# Altium PCB Benchtest_PCB.PcbDoc (part 1 of 3) (continued)
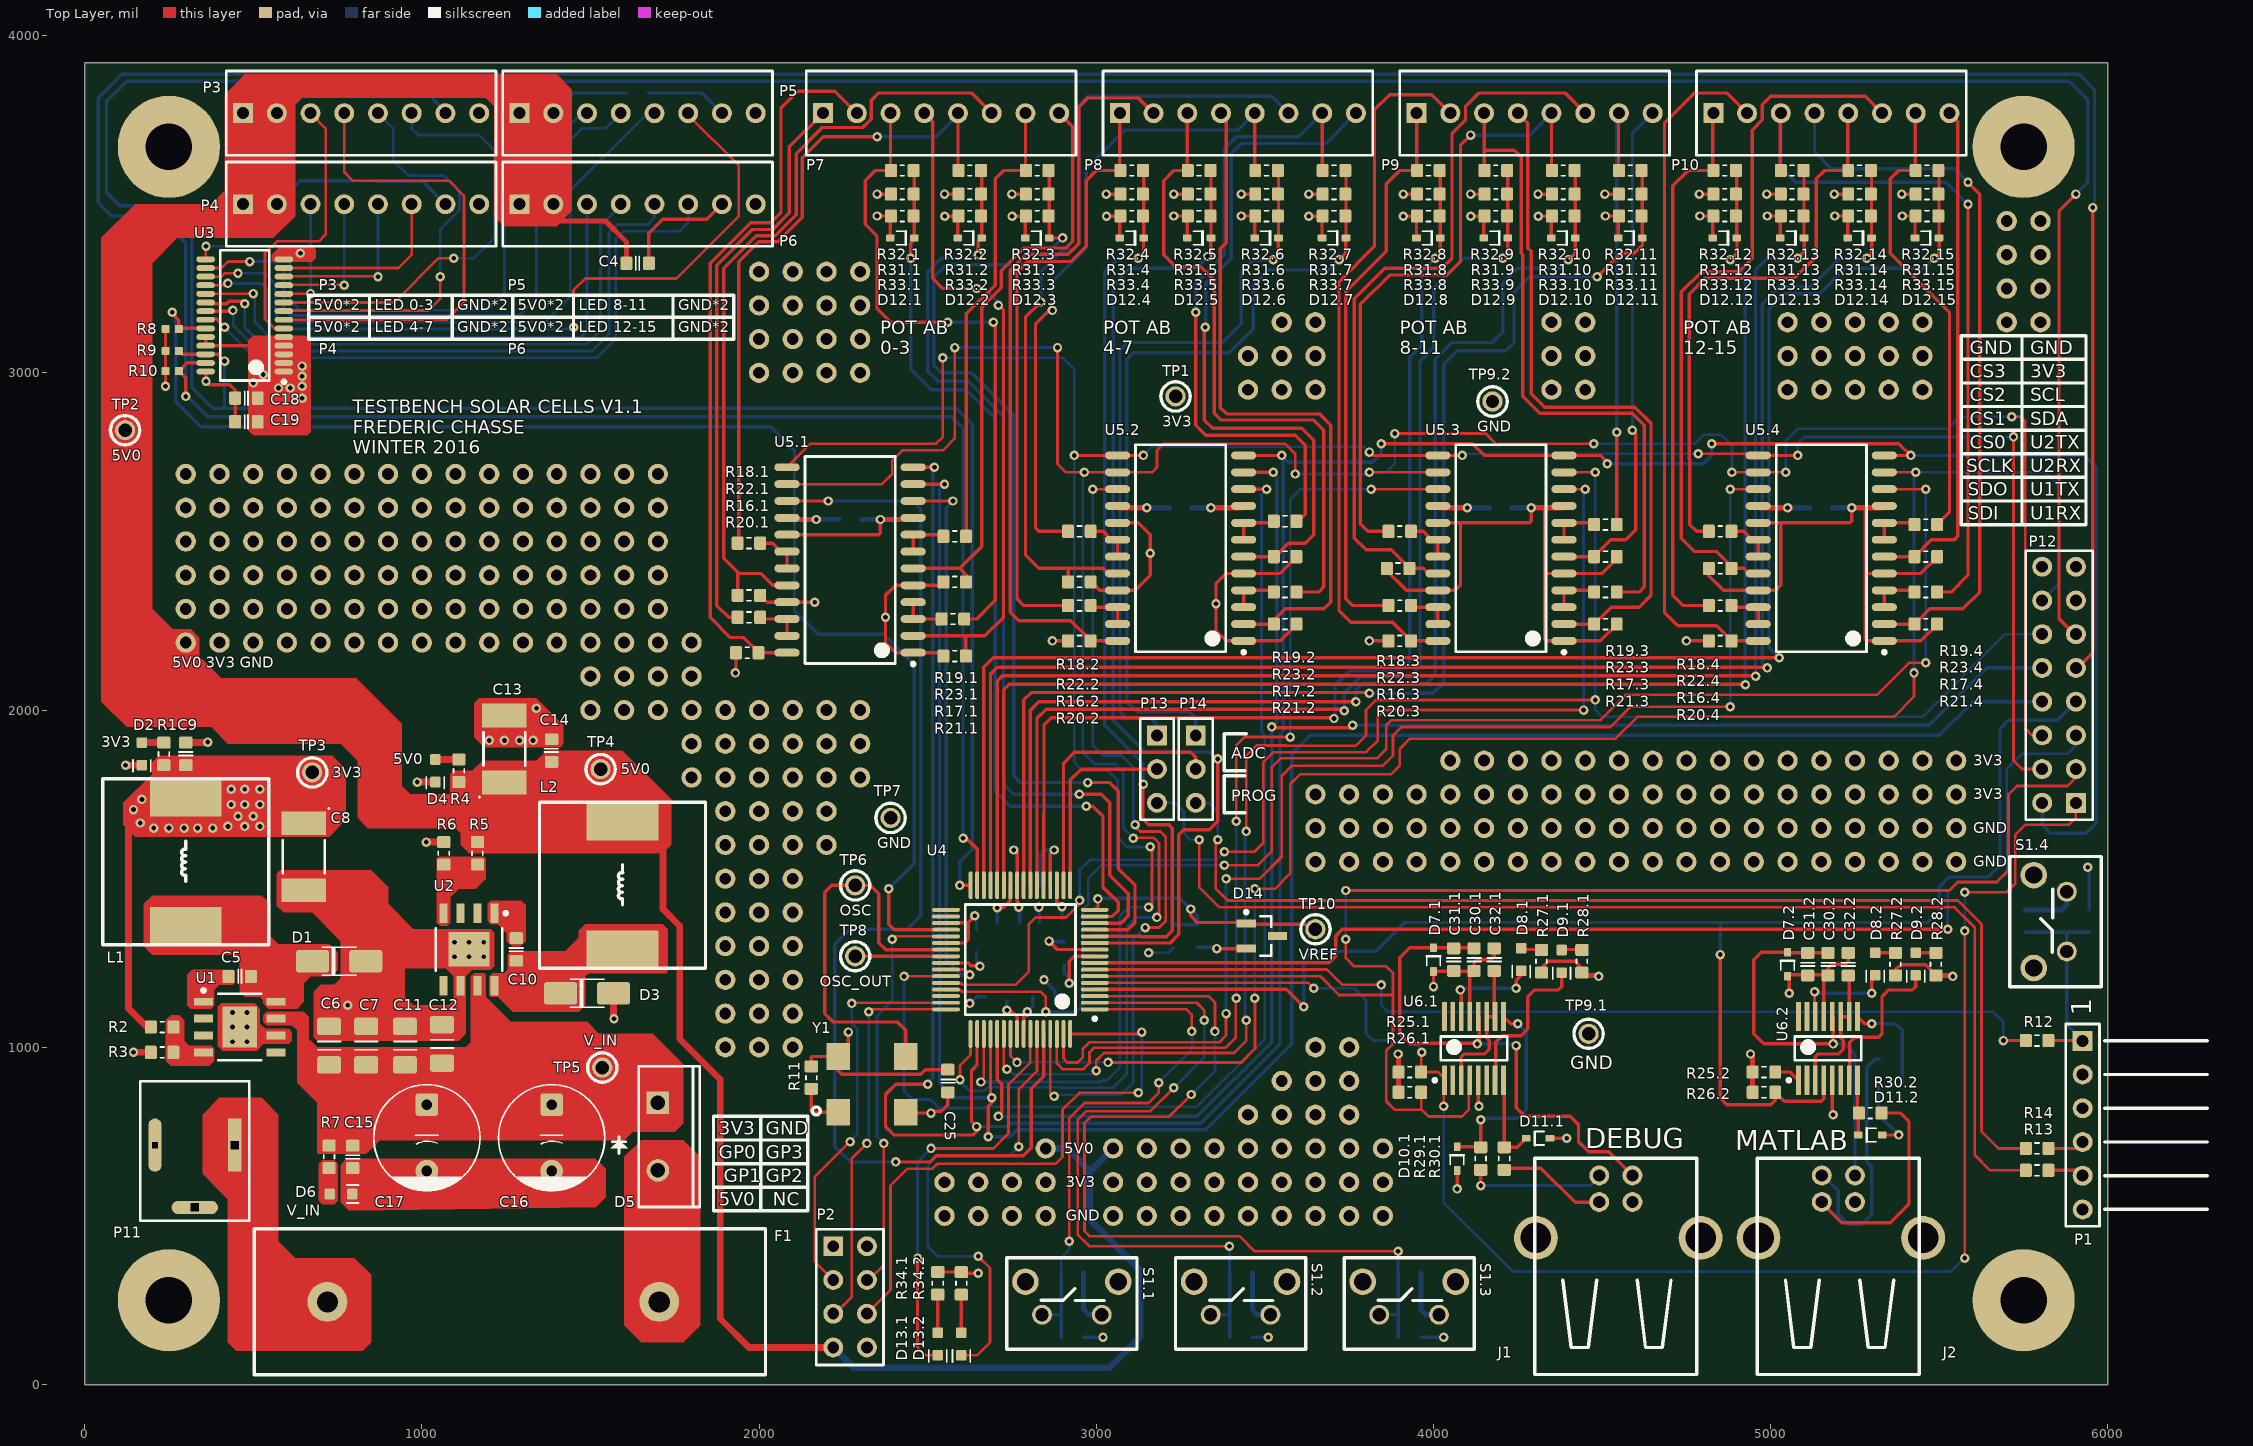
[diagram p0: Top Layer view]
## Design rules (kind name [scope] priority, off if disabled: settings)
Clearance "Clearance IC pads" [(HasFootprint('IC-HTSSOP-14') OR HasFootprint('IC-TQFP-64') OR HasFootprint('IC-TSSOP-28')) vs (HasFootprint('IC-HTSSOP-14') OR HasFootprint('IC-TQFP-64') OR HasFootprint('IC-TSSOP-28'))] p1: gap=0
Clearance [All] p2: gap=8
HoleSize [All] p1: absolutevalues=TRUE maxlimit=200 minlimit=5 maxpercent=80.000 minpercent=20.000
MinimumSolderMaskSliver [All] p1: minsoldermaskwidth=0
PlaneClearance [All] p1: clearance=20
PlaneConnect PlaneConnect_Vias [IsVia] p1: planeconnectstyle=Direct reliefexpansion=20 reliefentries=4 reliefconductorwidth=10 reliefairgap=10
PlaneConnect [All] p2: planeconnectstyle=Relief reliefexpansion=20 reliefentries=4 reliefconductorwidth=40 reliefairgap=10
PolygonConnect PolygonConnect_Vias [IsVia] p1: connectstyle=Direct reliefconductorwidth=10 reliefentries=4 polygonreliefangle="90 Angle" airgapwidth=10
PolygonConnect [All] p2: connectstyle=Relief reliefconductorwidth=40 reliefentries=4 polygonreliefangle="90 Angle" airgapwidth=10
RoutingVias [All] p1: holewidth=14 width=28 viastyle="Through Hole" minholewidth=14 minwidth=28 maxholewidth=28 maxwidth=50
SilkToSilkClearance [All] p1: silktosilkclearance=5
SilkToSolderMaskClearance [IsPad vs IsDesignator OR IsText] p1: minsilkscreentomaskgap=6 clearancetoexposedcopper=TRUE
SolderMaskExpansion [All] p1: expansion=4
Width [All] p1: maxlimit=40 minlimit=8 preferedwidth=10 minimp=50.000000 maximp=50.000000 favimp=50.000000
24 further rules are at their usual default settings.

## Classes and differential pairs
component class U_Vref: C33 D14 R35 TP10
channel class LED_debug: LED_DBG1 LED_DBG2
net class LED_DBG[2..1]: LED_DBG1 LED_DBG2
component class LED_DBG2: D13.2 R34.2
component class LED_DBG1: D13.1 R34.1
component class ControlBoard: C1 C2 C3 C4 J1 J2 P1 P2 P3 P4 P5 P6 P7 P8 P9 P10 P11 P12 TP1 TP2
component class U_DC-DC: C5 C6 C7 C8 C9 C10 C11 C12 C13 C14 C15 C16 C17 D1 D2 D3 D4 D5 D6 F1 L1 L2 R1 R2 R3 R4 R5 R6 R7 TP3 TP4 TP5 U1 U2
component class U_LED_Controller: C18 C19 R8 R9 R10 U3
component class U_PIC32MX_circuit: C20 C21 C22 C23 C24 C25 C26 C27 P13 P14 R11 R12 R13 R14 R15 TP6 TP7 TP8 U4 Y1
component class POT4: C28.4 R16.4 R17.4 R18.4 R19.4 R20.4 R21.4 R22.4 R23.4 U5.4
component class POT3: C28.3 R16.3 R17.3 R18.3 R19.3 R20.3 R21.3 R22.3 R23.3 U5.3
component class POT2: C28.2 R16.2 R17.2 R18.2 R19.2 R20.2 R21.2 R22.2 R23.2 U5.2
component class POT1: C28.1 R16.1 R17.1 R18.1 R19.1 R20.1 R21.1 R22.1 R23.1 U5.1
component class U_Push_Button: C29.4 R24.4 S1.4
component class DBG: C30.1 C31.1 C32.1 D7.1 D8.1 D9.1 D10.1 D11.1 R25.1 R26.1 R27.1 R28.1 R29.1 R30.1 TP9.1 U6.1
component class MAT: C30.2 C31.2 C32.2 D7.2 D8.2 D9.2 D10.2 D11.2 R25.2 R26.2 R27.2 R28.2 R29.2 R30.2 TP9.2 U6.2
net class ADC[16..2]: ADC2 ADC3 ADC4 ADC5 ADC6 ADC7 ADC8 ADC9 ADC10 ADC11 ADC12 ADC13 ADC14 ADC15 ADC16
net class CS[3..0]: CS0 CS1 CS2 CS3
net class GP_SW[3..1]: GP1 GP2 GP3 GP_SW1 GP_SW2 GP_SW3
net class GPIO[3..0]: GPIO0 GPIO1 GPIO2 GPIO3
net class LED[15..0]: LED0 LED1 LED2 LED3 LED4 LED5 LED6 LED7 LED8 LED9 LED10 LED11 LED12 LED13 LED14 LED15
net class P\O\T\_\R\S\T\[3..0]: P\O\T\_\R\S\T\0 P\O\T\_\R\S\T\1 P\O\T\_\R\S\T\2 P\O\T\_\R\S\T\3
net class P\O\T\_\S\H\D\N\[3..0]: P\O\T\_\S\H\D\N\0 P\O\T\_\S\H\D\N\1 P\O\T\_\S\H\D\N\2 P\O\T\_\S\H\D\N\3
net class POTA[16..1]: POTA1 POTA2 POTA3 POTA4 POTA5 POTA6 POTA7 POTA8 POTA9 POTA10 POTA11 POTA12 POTA13 POTA14 POTA15 POTA16
net class POTB[16..1]: POTB1 POTB2 POTB3 POTB4 POTB5 POTB6 POTB7 POTB8 POTB9 POTB10 POTB11 POTB12 POTB13 POTB14 POTB15 POTB16
channel class Potentiometer: POT1 POT2 POT3 POT4
channel class Push_Button: Repeat(GP_SW,0,2) RESET_PB
channel class USB-UART: DBG MAT
component class SP1: D12.1 R31.1 R32.1 R33.1
component class SP2: D12.2 R31.2 R32.2 R33.2
component class SP3: D12.3 R31.3 R32.3 R33.3
component class SP4: D12.4 R31.4 R32.4 R33.4
component class SP5: D12.5 R31.5 R32.5 R33.5
component class SP6: D12.6 R31.6 R32.6 R33.6
component class SP7: D12.7 R31.7 R32.7 R33.7
component class SP8: D12.8 R31.8 R32.8 R33.8
component class SP9: D12.9 R31.9 R32.9 R33.9
component class SP10: D12.10 R31.10 R32.10 R33.10
component class SP11: D12.11 R31.11 R32.11 R33.11
component class SP12: D12.12 R31.12 R32.12 R33.12
component class SP13: D12.13 R31.13 R32.13 R33.13
component class SP14: D12.14 R31.14 R32.14 R33.14
component class SP15: D12.15 R31.15 R32.15 R33.15
component class GP1: C29.1 R24.1 S1.1
component class GP2: C29.2 R24.2 S1.2
component class GP3: C29.3 R24.3 S1.3
channel class Signal_Protection: SP1 SP2 SP3 SP4 SP5 SP6 SP7 SP8 SP9 SP10 SP11 SP12 SP13 SP14 SP15

## Components (designator, comment, footprint, x,y, rotation, side; value= is the part's Value field where it differs from the comment)
C1 "CS - CAPACITOR" CS-0603 830,3830 r0 bottom
C2 "CS - CAPACITOR" CS-0603 830,3570 r0 bottom
C3 "CS - CAPACITOR" CS-0603 1640,3830 r0 bottom
C4 "CS - CAPACITOR" CS-0603 1640,3325 r0 top
C5 "CS - CAPACITOR" CS-0603 460,1210 r180 top
C6 "CS - CAPACITOR" CS-1206 725,1005 r270 top
C7 "CS - CAPACITOR" CS-1206 835,1005 r270 top
C8 "CS - CAPACITOR POL" CS-2312 650,1565 r270 top
C9 "CS - CAPACITOR" CS-0603 300,1870 r270 top
C10 "CS - CAPACITOR" CS-0603 1280,1290 r90 top
C11 "CS - CAPACITOR" CS-1206 950,1005 r270 top
C12 "CS - CAPACITOR" CS-1206 1060,1010 r270 top
C13 "CS - CAPACITOR POL" CS-2312 1245,1885 r90 top
C14 "CS - CAPACITOR" CS-0603 1385,1880 r270 top
C15 "CS - CAPACITOR" CS-0603 795,675 r90 top
C16 "CT - CAPACITOR ELECTROLYTIC" CT-CAP-ALUM-8X14 1385,830 r270 top
C17 "CT - CAPACITOR ELECTROLYTIC" CT-CAP-ALUM-8X14 1015,830 r270 top
C18 "CS - CAPACITOR" CS-0603 480,2925 r0 top
C19 "CS - CAPACITOR" CS-0603 480,2855 r0 top
C20 "CS - CAPACITOR" CS-0603 2865,1370 r0 bottom
C21 "CS - CAPACITOR" CS-0603 2645,1315 r90 bottom
C22 "CS - CAPACITOR" CS-0603 2740,1370 r180 bottom
C23 "CS - CAPACITOR" CS-0603 2845,1150 r180 bottom
C24 "CS - CAPACITOR" CS-0603 2905,1280 r90 bottom
C25 "CS - CAPACITOR" CS-0603 2560,900 r90 top
C26 "CS - CAPACITOR" CS-0603 2705,1150 r0 bottom
C27 "CS - CAPACITOR" CS-0603 2800,1480 r0 bottom
C28.1 "CS - CAPACITOR" CS-0603 2270,2565 r0 bottom (schematic designator C28)
C28.2 "CS - CAPACITOR" CS-0603 3250,2600 r0 bottom (schematic designator C28)
C28.3 "CS - CAPACITOR" CS-0603 4200,2600 r0 bottom (schematic designator C28)
C28.4 "CS - CAPACITOR" CS-0603 5150,2600 r0 bottom (schematic designator C28)
C29.1 "CS - CAPACITOR" CS-0603 2929.21,330 r180 bottom (schematic designator C29)
C29.2 "CS - CAPACITOR" CS-0603 3429.21,330 r180 bottom (schematic designator C29)
C29.3 "CS - CAPACITOR" CS-0603 3929.21,330 r180 bottom (schematic designator C29)
C29.4 "CS - CAPACITOR" CS-0603 5754.96,1374.21 r270 bottom (schematic designator C29)
C30.1 "CS - CAPACITOR" CS-0603 4120,1260 r90 top (schematic designator C30)
C30.2 "CS - CAPACITOR" CS-0603 5170,1246.54 r90 top (schematic designator C30)
C31.1 "CS - CAPACITOR" CS-0603 4060,1260 r90 top (schematic designator C31)
C31.2 "CS - CAPACITOR" CS-0603 5110,1246.54 r90 top (schematic designator C31)
C32.1 "CS - CAPACITOR" CS-0603 4180,1260 r90 top (schematic designator C32)
C32.2 "CS - CAPACITOR" CS-0603 5230,1246.54 r90 top (schematic designator C32)
C33 "CS - CAPACITOR" CS-0603 3300,1330 r90 bottom
D1 "B340A-13-F" DS-DO-214AC-SMA 755,1255 r0 top
D2 "LED - NORMAL LED" "LED-0603 YELLOW" 170,1870 r270 top
D3 "B340A-13-F" DS-DO-214AC-SMA 1490,1160 r0 top
D4 "LED - NORMAL LED" "LED-0603 YELLOW" 1040,1820 r270 top
D5 "DT - Diode" TO-220AC 1700,735 r270 top
D6 "LED - NORMAL LED" "LED-0603 YELLOW" 760,565 r0 top
D7.1 "DS - TVS ESD5Z5.0T1G" DS-SOD523 4000,1260 r270 top (schematic designator D7)
D7.2 "DS - TVS ESD5Z5.0T1G" DS-SOD523 5050,1246.54 r270 top (schematic designator D7)
D8.1 "LED - NORMAL LED" "LED-0603 GREEN" 4260,1260 r270 top (schematic designator D8)
D8.2 "LED - NORMAL LED" "LED-0603 GREEN" 5310,1246.54 r270 top (schematic designator D8)
D9.1 "LED - NORMAL LED" "LED-0603 GREEN" 4380,1255 r270 top (schematic designator D9)
D9.2 "LED - NORMAL LED" "LED-0603 GREEN" 5430,1246.54 r270 top (schematic designator D9)
D10.1 "DS - TVS ESD5Z5.0T1G" DS-SOD523 4070,670 r270 top (schematic designator D10)
D10.2 "DS - TVS ESD5Z5.0T1G" DS-SOD523 5355,895 r180 bottom (schematic designator D10)
D11.1 "DS - TVS ESD5Z5.0T1G" DS-SOD523 4310,730 r0 top (schematic designator D11)
D11.2 "DS - TVS ESD5Z5.0T1G" DS-SOD523 5295,740 r0 top (schematic designator D11)
D12.1 "DS - TVS ESD5Z3.3T1G" DS-SOD523 2425,3400 r180 top (schematic designator D12)
D12.2 "DS - TVS ESD5Z3.3T1G" DS-SOD523 2625,3400 r180 top (schematic designator D12)
D12.3 "DS - TVS ESD5Z3.3T1G" DS-SOD523 2825,3400 r180 top (schematic designator D12)
D12.4 "DS - TVS ESD5Z3.3T1G" DS-SOD523 3105,3400 r180 top (schematic designator D12)
D12.5 "DS - TVS ESD5Z3.3T1G" DS-SOD523 3305,3400 r180 top (schematic designator D12)
D12.6 "DS - TVS ESD5Z3.3T1G" DS-SOD523 3505,3400 r180 top (schematic designator D12)
D12.7 "DS - TVS ESD5Z3.3T1G" DS-SOD523 3705,3400 r180 top (schematic designator D12)
D12.8 "DS - TVS ESD5Z3.3T1G" DS-SOD523 3985,3400 r180 top (schematic designator D12)
D12.9 "DS - TVS ESD5Z3.3T1G" DS-SOD523 4185,3400 r180 top (schematic designator D12)
D12.10 "DS - TVS ESD5Z3.3T1G" DS-SOD523 4385,3400 r180 top (schematic designator D12)
D12.11 "DS - TVS ESD5Z3.3T1G" DS-SOD523 4583.46,3400 r180 top (schematic designator D12)
D12.12 "DS - TVS ESD5Z3.3T1G" DS-SOD523 4863.46,3400 r180 top (schematic designator D12)
D12.13 "DS - TVS ESD5Z3.3T1G" DS-SOD523 5063.46,3400 r180 top (schematic designator D12)
D12.14 "DS - TVS ESD5Z3.3T1G" DS-SOD523 5263.46,3400 r180 top (schematic designator D12)
D12.15 "DS - TVS ESD5Z3.3T1G" DS-SOD523 5463.46,3400 r180 top (schematic designator D12)
D13.1 "LED - NORMAL LED" "LED-0603 GREEN" 2530,120 r270 top (schematic designator D13)
D13.2 "LED - NORMAL LED" "LED-0603 GREEN" 2600,120 r270 top (schematic designator D13)
D14 "DS - LM4040" IC-SOT-23 3550,1380 r0 top
F1 "FT - Fuse" "FT - 5mm x 20mm" 720,245 r0 top
J1 "USB 4 pins" "CON-USB TYPE B" 4590,620 r0 top
J2 "USB 4 pins" "CON-USB TYPE B" 5250,620 r0 top
L1 "LS - INDUCTOR" "LS-Inductor SMD" 300,1550 r90 top
L2 "LS - INDUCTOR" "LS-Inductor SMD" 1595,1480 r90 top
P1 "CON - HEADER PROG" CON-HEADER-1X6-RA 5925,1019.21 r270 top
P2 "CON - HEADER 2X4" CON-HEADER-2X4 2220,410 r270 top
P3 "CON - HEADER 1X8" CON-HEADER-1X8 470,3770 r0 top
P4 "CON - HEADER 1X8" CON-HEADER-1X8 470,3500 r0 top
P5 "CON - HEADER 1X8" CON-HEADER-1X8 1290,3770 r0 top
P6 "CON - HEADER 1X8" CON-HEADER-1X8 1290,3500 r0 top
P7 "CON - HEADER 1X8" CON-HEADER-1X8 2190,3770 r0 top
P8 "CON - HEADER 1X8" CON-HEADER-1X8 3070,3770 r0 top
P9 "CON - HEADER 1X8" CON-HEADER-1X8 3950,3770 r0 top
P10 "CON - HEADER 1X8" CON-HEADER-1X8 4830,3770 r0 top
P11 "CON - POWER CONNECTOR" "CON-POWER CONNECTOR" 445,710 r180 top
P12 "CON - HEADER 2X8" CON-HEADER-2X8 5905,1725 r90 top
P13 "CON - HEADER 1X3" CON-HEADER-1X3 3180,1925 r270 top
P14 "CON - HEADER 1X3" CON-HEADER-1X3 3295,1925 r270 top
R1 "RS - RESISTOR" RS-0603 235,1870 r90 top
R2 "RS - RESISTOR" RS-0603 230,1060 r0 top
R3 "RS - RESISTOR" RS-0603 230,985 r180 top
R4 "RS - RESISTOR" RS-0603 1110,1820 r90 top
R5 "RS - RESISTOR" RS-0603 1165,1575 r270 top
R6 "RS - RESISTOR" RS-0603 1065,1575 r90 top
R7 "RS - RESISTOR" RS-0603 725,675 r90 top
R8 "RS - RESISTOR" RS-0402 260,3130 r180 top
R9 "RS - RESISTOR" RS-0402 260,3065 r180 top
R10 "RS - RESISTOR" RS-0402 260,3005 r180 top
R11 "RS - RESISTOR" RS-0603 2155,910 r270 top
R12 "RS - RESISTOR" RS-0603 5790,1020 r0 top
R13 "RS - RESISTOR" RS-0603 5790,635 r0 top
R14 "RS - RESISTOR" RS-0603 5790,700 r0 top
R15 "RS - RESISTOR" RS-0603 2800,1545 r180 bottom
R16.1 "RS - RESISTOR" RS-0603 1970,2275 r0 top (schematic designator R16)
R16.2 "RS - RESISTOR" RS-0603 2950,2310 r0 top (schematic designator R16)
R16.3 "RS - RESISTOR" RS-0603 3900,2310 r0 top (schematic designator R16)
R16.4 "RS - RESISTOR" RS-0603 4850,2310 r0 top (schematic designator R16)
R17.1 "RS - RESISTOR" RS-0603 2575,2270 r180 top (schematic designator R17)
R17.2 "RS - RESISTOR" RS-0603 3560,2350 r180 top (schematic designator R17)
R17.3 "RS - RESISTOR" RS-0603 4510,2350 r180 top (schematic designator R17)
R17.4 "RS - RESISTOR" RS-0603 5460,2350 r180 top (schematic designator R17)
R18.1 "RS - RESISTOR" RS-0603 1970,2495 r0 top (schematic designator R18)
R18.2 "RS - RESISTOR" RS-0603 2950,2530 r0 top (schematic designator R18)
R18.3 "RS - RESISTOR" RS-0603 3900,2530 r0 top (schematic designator R18)
R18.4 "RS - RESISTOR" RS-0603 4850,2530 r0 top (schematic designator R18)
R19.1 "RS - RESISTOR" RS-0603 2580,2515 r180 top (schematic designator R19)
R19.2 "RS - RESISTOR" RS-0603 3560,2560 r180 top (schematic designator R19)
R19.3 "RS - RESISTOR" RS-0603 4510,2550 r180 top (schematic designator R19)
R19.4 "RS - RESISTOR" RS-0603 5460,2550 r180 top (schematic designator R19)
R20.1 "RS - RESISTOR" RS-0603 1965,2170 r180 top (schematic designator R20)
R20.2 "RS - RESISTOR" RS-0603 2950,2205 r180 top (schematic designator R20)
R20.3 "RS - RESISTOR" RS-0603 3900,2205 r180 top (schematic designator R20)
R20.4 "RS - RESISTOR" RS-0603 4850,2205 r180 top (schematic designator R20)
R21.1 "RS - RESISTOR" RS-0603 2580,2160 r180 top (schematic designator R21)
R21.2 "RS - RESISTOR" RS-0603 3560,2255 r0 top (schematic designator R21)
R21.3 "RS - RESISTOR" RS-0603 4510,2255 r0 top (schematic designator R21)
R21.4 "RS - RESISTOR" RS-0603 5460,2255 r0 top (schematic designator R21)
R22.1 "RS - RESISTOR" RS-0603 1970,2340 r0 top (schematic designator R22)
R22.2 "RS - RESISTOR" RS-0603 2950,2380 r0 top (schematic designator R22)
R22.3 "RS - RESISTOR" RS-0603 3895,2420 r180 top (schematic designator R22)
R22.4 "RS - RESISTOR" RS-0603 4850,2420 r180 top (schematic designator R22)
R23.1 "RS - RESISTOR" RS-0603 2580,2380 r180 top (schematic designator R23)
R23.2 "RS - RESISTOR" RS-0603 3560,2455 r0 top (schematic designator R23)
R23.3 "RS - RESISTOR" RS-0603 4510,2455 r0 top (schematic designator R23)
R23.4 "RS - RESISTOR" RS-0603 5460,2455 r0 top (schematic designator R23)
R24.1 "RS - RESISTOR" RS-0603 2929.21,140 r0 bottom (schematic designator R24)
R24.2 "RS - RESISTOR" RS-0603 3429.21,140 r0 bottom (schematic designator R24)
R24.3 "RS - RESISTOR" RS-0603 3929.21,140 r0 bottom (schematic designator R24)
R24.4 "RS - RESISTOR" RS-0603 5944.96,1374.21 r90 bottom (schematic designator R24)
R25.1 "RS - RESISTOR" RS-0603 3930,926.54 r180 top (schematic designator R25)
R25.2 "RS - RESISTOR" RS-0603 4980,926.54 r180 top (schematic designator R25)
R26.1 "RS - RESISTOR" RS-0603 3930,866.54 r180 top (schematic designator R26)
R26.2 "RS - RESISTOR" RS-0603 4980,866.54 r180 top (schematic designator R26)
R27.1 "RS - RESISTOR" RS-0603 4320,1255 r270 top (schematic designator R27)
R27.2 "RS - RESISTOR" RS-0603 5370,1246.54 r270 top (schematic designator R27)
R28.1 "RS - RESISTOR" RS-0603 4440,1255 r270 top (schematic designator R28)
R28.2 "RS - RESISTOR" RS-0603 5490,1246.54 r270 top (schematic designator R28)
R29.1 "RS - RESISTOR" RS-0603 4140,670 r270 top (schematic designator R29)
R29.2 "RS - RESISTOR" RS-0603 5355,965 r180 bottom (schematic designator R29)
R30.1 "RS - RESISTOR" RS-0603 4210,670 r270 top (schematic designator R30)
R30.2 "RS - RESISTOR" RS-0603 5295,805 r0 top (schematic designator R30)
R31.1 "RS - RESISTOR" RS-0603 2425,3530 r0 top (schematic designator R31)
R31.2 "RS - RESISTOR" RS-0603 2625,3530 r0 top (schematic designator R31)
R31.3 "RS - RESISTOR" RS-0603 2825,3530 r0 top (schematic designator R31)
R31.4 "RS - RESISTOR" RS-0603 3105,3530 r0 top (schematic designator R31)
R31.5 "RS - RESISTOR" RS-0603 3305,3530 r0 top (schematic designator R31)
R31.6 "RS - RESISTOR" RS-0603 3505,3530 r0 top (schematic designator R31)
R31.7 "RS - RESISTOR" RS-0603 3705,3530 r0 top (schematic designator R31)
R31.8 "RS - RESISTOR" RS-0603 3985,3530 r0 top (schematic designator R31)
R31.9 "RS - RESISTOR" RS-0603 4185,3530 r0 top (schematic designator R31)
R31.10 "RS - RESISTOR" RS-0603 4385,3530 r0 top (schematic designator R31)
R31.11 "RS - RESISTOR" RS-0603 4583.46,3530 r0 top (schematic designator R31)
R31.12 "RS - RESISTOR" RS-0603 4863.46,3530 r0 top (schematic designator R31)
R31.13 "RS - RESISTOR" RS-0603 5063.46,3530 r0 top (schematic designator R31)
R31.14 "RS - RESISTOR" RS-0603 5263.46,3530 r0 top (schematic designator R31)
R31.15 "RS - RESISTOR" RS-0603 5463.46,3530 r0 top (schematic designator R31)
R32.1 "RS - RESISTOR" RS-0603 2425,3600 r180 top (schematic designator R32)
R32.2 "RS - RESISTOR" RS-0603 2625,3600 r180 top (schematic designator R32)
R32.3 "RS - RESISTOR" RS-0603 2825,3600 r180 top (schematic designator R32)
R32.4 "RS - RESISTOR" RS-0603 3105,3600 r180 top (schematic designator R32)
R32.5 "RS - RESISTOR" RS-0603 3305,3600 r180 top (schematic designator R32)
R32.6 "RS - RESISTOR" RS-0603 3505,3600 r180 top (schematic designator R32)
R32.7 "RS - RESISTOR" RS-0603 3705,3600 r180 top (schematic designator R32)
R32.8 "RS - RESISTOR" RS-0603 3985,3600 r180 top (schematic designator R32)
R32.9 "RS - RESISTOR" RS-0603 4185,3600 r180 top (schematic designator R32)
R32.10 "RS - RESISTOR" RS-0603 4385,3600 r180 top (schematic designator R32)
R32.11 "RS - RESISTOR" RS-0603 4583.46,3600 r180 top (schematic designator R32)
R32.12 "RS - RESISTOR" RS-0603 4863.46,3600 r180 top (schematic designator R32)
R32.13 "RS - RESISTOR" RS-0603 5063.46,3600 r180 top (schematic designator R32)
R32.14 "RS - RESISTOR" RS-0603 5263.46,3600 r180 top (schematic designator R32)
R32.15 "RS - RESISTOR" RS-0603 5463.46,3600 r180 top (schematic designator R32)
R33.1 "RS - RESISTOR" RS-0603 2425,3465 r0 top (schematic designator R33)
R33.2 "RS - RESISTOR" RS-0603 2625,3465 r0 top (schematic designator R33)
R33.3 "RS - RESISTOR" RS-0603 2825,3465 r0 top (schematic designator R33)
R33.4 "RS - RESISTOR" RS-0603 3105,3465 r0 top (schematic designator R33)
R33.5 "RS - RESISTOR" RS-0603 3305,3465 r0 top (schematic designator R33)
R33.6 "RS - RESISTOR" RS-0603 3505,3465 r0 top (schematic designator R33)
R33.7 "RS - RESISTOR" RS-0603 3705,3465 r0 top (schematic designator R33)
R33.8 "RS - RESISTOR" RS-0603 3985,3465 r0 top (schematic designator R33)
R33.9 "RS - RESISTOR" RS-0603 4185,3465 r0 top (schematic designator R33)
R33.10 "RS - RESISTOR" RS-0603 4385,3465 r0 top (schematic designator R33)
R33.11 "RS - RESISTOR" RS-0603 4583.46,3465 r0 top (schematic designator R33)
R33.12 "RS - RESISTOR" RS-0603 4863.46,3465 r0 top (schematic designator R33)
R33.13 "RS - RESISTOR" RS-0603 5063.46,3465 r0 top (schematic designator R33)
R33.14 "RS - RESISTOR" RS-0603 5263.46,3465 r0 top (schematic designator R33)
R33.15 "RS - RESISTOR" RS-0603 5463.46,3465 r0 top (schematic designator R33)
R34.1 "RS - RESISTOR" RS-0603 2530,300 r270 top (schematic designator R34)
R34.2 "RS - RESISTOR" RS-0603 2600,300 r270 top (schematic designator R34)
R35 "RS - RESISTOR" RS-0603 3230,1330 r270 bottom
S1.1 "SW - Tactile Switch" SW-FSMRA 2839.21,206.93 r0 top (schematic designator S1)
S1.2 "SW - Tactile Switch" SW-FSMRA 3339.21,206.93 r0 top (schematic designator S1)
S1.3 "SW - Tactile Switch" SW-FSMRA 3839.21,206.93 r0 top (schematic designator S1)
S1.4 "SW - Tactile Switch" SW-FSMRA 5878.03,1284.21 r90 top (schematic designator S1)
TP1 "5003K" "TP - VERTICAL" 3235,2930 r0 top
TP2 "5003K" "TP - VERTICAL" 120,2830 r0 top
TP3 "5003K" "TP - VERTICAL" 675,1815 r0 top
TP4 "5003K" "TP - VERTICAL" 1530,1825 r90 top
TP5 "5003K" "TP - VERTICAL" 1535,940 r0 top
TP6 "5003K" "TP - VERTICAL" 2285,1480 r0 top
TP7 "5003K" "TP - VERTICAL" 2390,1680 r0 top
TP8 "5003K" "TP - VERTICAL" 2285,1270 r0 top
TP9.1 "5003K" "TP - VERTICAL" 4460,1040 r0 top (schematic designator TP9)
TP9.2 "5003K" "TP - VERTICAL" 4175,2915 r0 top (schematic designator TP9)
TP10 "5003K" "TP - VERTICAL" 3650,1350 r90 top
U1 "IC - TPS5430" IC-SOIC8-POWERPAD 460,1060 r0 top
U2 "IC - TPS5430" IC-SOIC8-POWERPAD 1140,1290 r270 top
U3 "IC - PCA9685" IC-TSSOP-28 475,3170.2 r180 top
U4 "IC - PIC32MX795F512HT-80I/PT" IC-TQFP-64 2775,1260 r180 top
U5.1 "IC - AD8403" IC-SOIC-24 2270,2445 r180 top (schematic designator U5)
U5.2 "IC - AD8403" IC-SOIC-24 3250,2480 r180 top (schematic designator U5)
U5.3 "IC - AD8403" IC-SOIC-24 4200,2480 r180 top (schematic designator U5)
U5.4 "IC - AD8403" IC-SOIC-24 5150,2480 r180 top (schematic designator U5)
U6.1 "IC - FT230XS" IC-SSOP-16 4120,996.54 r90 top (schematic designator U6)
U6.2 "IC - FT230XS" IC-SSOP-16 5170,996.54 r90 top (schematic designator U6)
Y1 "8MHz" OSC-CB3LV 2335,890 r0 top

## Footprints (in the part's own frame and the unit in brackets; to place one, negate y for a bottom-side part, rotate by r counter-clockwise, add the part's x,y. Pads: shape width x height; smd on the part's side, far side on the other; paste and mask are expansions set on the pad)
CON-HEADER-1X3 [mm]
  rect 1.5x1.5 hole 0.9: 1(0,0)
  round 1.5 hole 0.9: 2(2.54,0) 3(5.08,0)
  silkscreen extent -1.27,-1.27 6.35,1.27, body extent -1.35,-1.24 6.27,1.25, height 8.2
CON-HEADER-1X6-RA [mm] "HEADER 6 PINS RIGHT ANGLE"
  rect 1.5x1.5 hole 0.9: 1(0,0)
  round 1.5 hole 0.9: 2(2.54,0) 3(5.08,0) 4(7.62,0) 5(10.16,0) 6(12.7,0)
  silkscreen extent -1.27,-1.27 13.97,9.4, body extent -1.27,-0.3 13.97,9.83, height 2.51
CON-HEADER-1X8 [mm]
  rect 1.5x1.5 hole 0.9: 1(0,0)
  round 1.5 hole 0.9: 2(2.54,0) 3(5.08,0) 4(7.62,0) 5(10.16,0) 6(12.7,0) 7(15.24,0) 8(17.78,0)
  silkscreen extent -1.27,-3.17 19.05,3.17
CON-HEADER-2X4 [mm]
  rect 1.5x1.5 hole 0.9: 1(0,0)
  round 1.5 hole 0.9: 2(2.54,0) 3(5.08,0) 4(7.62,0) 5(0,2.54) 6(2.54,2.54) 7(5.08,2.54) 8(7.62,2.54)
  silkscreen extent -1.27,-1.27 8.94,3.78, body extent -1.19,-1.27 8.97,3.81, height 9.27
CON-HEADER-2X8 [mm]
  rect 1.5x1.5 hole 0.9: 1(0,0)
  round 1.5 hole 0.9: 2(2.54,0) 3(5.08,0) 4(7.62,0) 5(10.16,0) 6(12.7,0) 7(15.24,0) 8(17.78,0) 9(17.78,2.54) 10(15.24,2.54) 11(12.7,2.54) 12(10.16,2.54) 13(7.62,2.54) 14(5.08,2.54) 15(2.54,2.54) 16(0,2.54)
  silkscreen extent -1.27,-1.27 18.97,3.78, body extent -1.22,-1.24 19.1,3.76, height 8.48
"CON-POWER CONNECTOR" [mm] "CONN PWR JACK 2.1X5.5MM HIGH CUR"
  rect 1x4 hole 0.6 square: 1(0,0)
  oval 1x4 hole 0.45 square: 2(6,0)
  oval 3.5x1 hole 0.6 square: 3(3,4.7)
  silkscreen extent -1.1,-4.8 7.1,5.7, body extent -0.7,-4.5 13.7,4.9, height 11.3
"CON-USB TYPE B" [mm] "USB receptacle type B through hole"
  round 1.5 hole 0.92: 1(0,0) 2(-2.5,0) 3(-2.5,-2) 4(0,-2)
  round 3.3 hole 2.3: 5(-7.27,-4.71) 6(5.13,-4.71)
  silkscreen extent -7.35,-14.99 4.85,1.29, body extent -8.65,-15.03 6.15,1.47, height 11.01
CS-0603 [mm]
  round 0.254 on Mech15: 0(0,0)
  rrect25% 0.9x1 smd: 1(-0.85,0) 2(0.85,0)
  Top Layer pour cut-out: -0.6,0.5 -0.4,0.7 0.4,0.7 0.6,0.5 0.6,-0.5 0.4,-0.7 -0.4,-0.7 -0.6,-0.5
  silkscreen extent -0.14,-0.53 0.12,0.51, body extent -0.8,-0.4 0.8,0.4, height 0.3
CS-1206 [mm]
  round 0.508 on Mech15: 0(0,0)
  rrect25% 1.3x1.8 smd: 1(-1.45,0) 2(1.45,0)
  silkscreen extent -0.31,-0.84 0.3,0.86, body extent -1.58,-0.8 1.62,0.8, height 1
CS-2312 [mm] "Chip Capacitor, 2-Leads, Body 6.00x3.20mm, IPC Medium Density"
  rect 1.8x3.35 smd: 1(-2.525,0) 2(2.525,0)
  silkscreen extent -3.69,-1.58 1.25,1.94, body extent -3,-1.6 3,1.6, height 2.6
CT-CAP-ALUM-8X14 [mm] "8mm Dia X 14mm hei, pitch 5mm"
  round 0.508 on Mech15: 0(2.5,0)
  rrect25% 1.7x1.7 hole 0.8: 1(0,0)
  round 1.7 hole 0.8: 2(5,0)
  silkscreen extent -1.5,-4 6.5,4, body extent -1.59,-4.1 6.61,4.1, height 2.4
DS-DO-214AC-SMA [mm]
  round 0.508 on Mech15: 0(0,0)
  rrect25% 2.5x1.7 smd: A(2,0) K(-2,0)
  silkscreen extent -1.27,-1.04 1.3,1.05, body extent -1.88,-0.78 1.82,0.77, height 1.35
DS-SOD523 [mm]
  round 0.508 on Mech15: 0(0,0)
  rrect20% 0.65x0.5 smd: A(0.9,0) K(-0.9,0)
  Top Layer pour cut-out: -0.708,-0.257 -0.708,0.243 -0.508,0.443 0.542,0.443 0.742,0.243 0.742,-0.257 0.542,-0.457 -0.508,-0.457
  silkscreen extent -0.25,-0.51 0.45,0.51, body extent -0.8,-0.4 0.8,0.4, height 0.7
"FT - 5mm x 20mm" [mm]
  round 3 hole 1.6: 1(0,0) 2(25,0)
  silkscreen extent -5.5,-5.5 33,5.5, body extent -0.51,-4.8 25.09,4.8, height 11.5
IC-SOIC8-POWERPAD [mm] "SOIC, 8-Leads, Body 4.90x3.90mm, Pitch 1.27mm, Thermal Pad 3.10x2.60mm, IPC Medium Density"
  rect 1.45x0.6 smd: 1(-2.725,1.905) 2(-2.725,0.635) 3(-2.725,-0.635) 4(-2.725,-1.905) 5(2.725,-1.905) 6(2.725,-0.635) 7(2.725,0.635) 8(2.725,1.905)
  rect 2.6x3.1 smd: 9(0,0)
  silkscreen extent -2.85,-2.5 1.6,2.88, body extent -3.02,-2.5 3.18,2.5, height 1.75
IC-SOIC-24 [mm] "SOIC, 24-Leads, Body 15,40x7,50mm, Pitch 1,27mm, IPC Medium Density"
  oval 1.9x0.6 smd: 1(-4.75,6.985) 2(-4.75,5.715) 3(-4.75,4.445) 4(-4.75,3.175) 5(-4.75,1.905) 6(-4.75,0.635) 7(-4.75,-0.635) 8(-4.75,-1.905) 9(-4.75,-3.175) 10(-4.75,-4.445) 11(-4.75,-5.715) 12(-4.75,-6.985) 13(4.75,-6.985) 14(4.75,-5.715) 15(4.75,-4.445) 16(4.75,-3.175) 17(4.75,-1.905) 18(4.75,-0.635) 19(4.75,0.635) 20(4.75,1.905) 21(4.75,3.175) 22(4.75,4.445) 23(4.75,5.715) 24(4.75,6.985)
  silkscreen extent -4.88,-7.8 3.4,7.96, body extent -5.12,-7.75 5.18,7.75, height 2.65
IC-SOT-23 [mm]
  rect 1.45x0.6 smd: 1(-2.674,-0.32) 2(-2.674,-2.22) 3(-0.324,-1.27)
  silkscreen extent -2.8,-2.77 -0.8,0.65, body extent -2.87,-2.77 -0.23,0.23, height 1.08
IC-SSOP-16 [mm] "SOP, 16-Leads, Body 5.0x4.0mm (max), Pitch 0.63mm, IPC Medium Density"
  rect 2.2x0.35 smd: 1(-2.4,2.222) 2(-2.4,1.587) 3(-2.4,0.952) 4(-2.4,0.317) 5(-2.4,-0.318) 6(-2.4,-0.953) 7(-2.4,-1.588) 8(-2.4,-2.222) 9(2.4,-2.222) 10(2.4,-1.587) 11(2.4,-0.952) 12(2.4,-0.317) 13(2.4,0.318) 14(2.4,0.953) 15(2.4,1.588) 16(2.4,2.222)
  silkscreen extent -2.52,-2.5 0.9,3.07, body extent -3.1,-2.5 3.15,2.5, height 1.75
IC-TQFP-64 [mm]
  oval 2.1x0.3 smd: 1(-5.6,3.75) 2(-5.6,3.25) 3(-5.6,2.75) 4(-5.6,2.25) 5(-5.6,1.75) 6(-5.6,1.25) 7(-5.6,0.75) 8(-5.6,0.25) 9(-5.6,-0.25) 10(-5.6,-0.75) 11(-5.6,-1.25) 12(-5.6,-1.75) 13(-5.6,-2.25) 14(-5.6,-2.75) 15(-5.6,-3.25) 16(-5.6,-3.75) 33(5.6,-3.75) 34(5.6,-3.25) 35(5.6,-2.75) 36(5.6,-2.25) 37(5.6,-1.75) 38(5.6,-1.25) 39(5.6,-0.75) 40(5.6,-0.25) 41(5.6,0.25) 42(5.6,0.75) 43(5.6,1.25) 44(5.6,1.75) 45(5.6,2.25) 46(5.6,2.75) 47(5.6,3.25) 48(5.6,3.75)
  oval 0.3x2.1 smd: 17(-3.75,-5.6) 18(-3.25,-5.6) 19(-2.75,-5.6) 20(-2.25,-5.6) 21(-1.75,-5.6) 22(-1.25,-5.6) 23(-0.75,-5.6) 24(-0.25,-5.6) 25(0.25,-5.6) 26(0.75,-5.6) 27(1.25,-5.6) 28(1.75,-5.6) 29(2.25,-5.6) 30(2.75,-5.6) 31(3.25,-5.6) 32(3.75,-5.6) 49(3.75,5.6) 50(3.25,5.6) 51(2.75,5.6) 52(2.25,5.6) 53(1.75,5.6) 54(1.25,5.6) 55(0.75,5.6) 56(0.25,5.6) 57(-0.25,5.6) 58(-0.75,5.6) 59(-1.25,5.6) 60(-1.75,5.6) 61(-2.25,5.6) 62(-2.75,5.6) 63(-3.25,5.6) 64(-3.75,5.6)
  silkscreen extent -5.72,-4.15 4.15,4.57, body extent -6.01,-5.98 6.01,6.03, height 1.2
IC-TSSOP-28 [mm] "TSOP, 28-Leads, Body 9.70x4.40mm, Pitch 0.65mm, IPC Medium Density"
  oval 1.4x0.45 smd: 1(-2.95,4.225) 2(-2.95,3.575) 3(-2.95,2.925) 4(-2.95,2.275) 5(-2.95,1.625) 6(-2.95,0.975) 7(-2.95,0.325) 8(-2.95,-0.325) 9(-2.95,-0.975) 10(-2.95,-1.625) 11(-2.95,-2.275) 12(-2.95,-2.925) 13(-2.95,-3.575) 14(-2.95,-4.225) 15(2.95,-4.225) 16(2.95,-3.575) 17(2.95,-2.925) 18(2.95,-2.275) 19(2.95,-1.625) 20(2.95,-0.975) 21(2.95,-0.325) 22(2.95,0.325) 23(2.95,0.975) 24(2.95,1.625) 25(2.95,2.275) 26(2.95,2.925) 27(2.95,3.575) 28(2.95,4.225)
  silkscreen extent -3.08,-4.9 1.85,5.12, body extent -2.25,-4.9 2.25,4.9, height 1.1
"LED-0603 GREEN" [mm]
  round 0.254 on Mech15: 0(0,0)
  rrect25% 0.8x0.8 smd: A(-0.85,0) K(0.85,0)
  Top Layer pour cut-out: -0.5,0.5 0.5,0.5 0.5,-0.5 -0.5,-0.5
  silkscreen extent 0.45,-0.67 1.35,0.67, body extent -0.83,-0.4 0.79,0.4, height 0.6
"LED-0603 YELLOW" [mm]
  round 0.254 on Mech15: 0(0,0)
  rrect25% 0.8x0.8 smd: A(-0.85,0) K(0.85,0)
  Top Layer pour cut-out: -0.5,0.5 0.5,0.5 0.5,-0.5 -0.5,-0.5
  silkscreen extent 0.45,-0.67 1.35,0.67, body extent -0.83,-0.4 0.79,0.4, height 0.6
"LS-Inductor SMD" [mm] "MD Inductor 12.5mm x 12.5mm"
  rect 2.9x5.4 smd: 1(-4.85,0) 2(4.85,0)
  silkscreen extent -6.25,-6.25 6.25,6.25, body extent -6.32,-6.32 6.38,6.38, height 8.5
OSC-CB3LV [mm] "SMD Oscillator"
  rect 1.8x2 smd: 1(-2.54,-2.1) 2(2.54,-2.1) 3(2.54,2.1) 4(-2.54,2.1)
  silkscreen extent -4.5,-2.3 -3.9,-1.7, body extent -3.4,-2.42 3.6,2.58, height 1.71
RS-0402 [mm]
  round 0.2 on Mech15: 0(0,0)
  rrect20% 0.6x0.6 smd: 1(-0.5,0) 2(0.5,0)
  Top Layer pour cut-out: -0.325,0.375 -0.2,0.5 0.2,0.5 0.325,0.375 0.325,-0.375 0.2,-0.5 -0.2,-0.5 -0.325,-0.375
  body extent -0.5,-0.25 0.5,0.25, height 0.35
RS-0603 [mm]
  round 0.254 on Mech15: 0(0,0)
  rrect25% 0.9x1 smd: 1(-0.85,0) 2(0.85,0)
  Top Layer pour cut-out: -0.6,0.5 -0.4,0.7 0.4,0.7 0.6,0.5 0.6,-0.5 0.4,-0.7 -0.4,-0.7 -0.6,-0.5
  silkscreen extent -0.15,-0.41 0.15,0.41, body extent -0.77,-0.43 0.78,0.42, height 0.45
SW-FSMRA [mm] "Right angle tactile switch"
  round 1.5 hole 0.99: 1(0,0) 2(4.5,0)
  round 2 hole 1.3: ""(-1.25,2.49) ""(5.75,2.49)
  silkscreen extent -2.65,-2.6 7.15,4.3, body extent -2.05,-8.4 6.36,3.96, height 7.02
TO-220AC [mm] "TO, Thru-Hole, Vertical, Heatsink Mounted; 3 In-Line Leads (1 Absent); Pitch 2.54 mm"
  rect 1.7x1.7 hole 1.1: 1(-2.54,0)
  round 1.7 hole 1.1: 3(2.54,0)
  silkscreen extent -5.3,-1.45 5.3,3.15
"TP - VERTICAL" [mil] "Testpoint"
  round 60 hole 40: 1(0,0)
  silkscreen extent -43,-43 43,43, body extent -50,-50 50,50, height 192

## Part data
C5 C10: "CAP CER 10000PF 50V 10% X7R 0603"
D1 D3: library part "DS - Schottky", "DIODE SCHOTTKY 40V 3A SMA"
D5: library part "Diode 18TQ045", "Zener Schottky"
D7.1 D7.2 D10.1 D10.2 D11.1 D11.2: "TVS 5V"
D12.1 D12.2 D12.3 D12.4 D12.5 D12.6 D12.7 D12.8 D12.9 D12.10 D12.11 D12.12 D12.13 D12.14 D12.15: "TVS 3.3V"
D14: "Zener Diode Vref"
J1 J2: library part "CON - USB TYPE B 4 pins", "4 pin USB connector with 2 shield pins"
L1 L2: "INDUCTOR SHIELD PWR"
P1: library part "CON - PROG HEADER 6", "MICROCHIP CONNECTOR"
P2: "100mil header 2 row 8pins"
P3 P4 P5 P6 P7 P8 P9 P10: "100mil header 1 row 6 pins"
P11: "CONN PWR JACK 2.1X5.5MM HIGH CUR"
P12: "100mil header 2 row 16pins"
P13 P14: "100mil header 1 row 3pins"
TP1 TP2 TP3 TP4 TP5 TP6 TP7 TP8 TP9.1 TP9.2 TP10: library part "TP - Test point vertical"
U1 U2: "IC REG BUCK ADJ 3A 8SOPWRPAD"
U3: "16-channel, 12-bit PWM Fm + I2C-bus LED controller"
U5.1 U5.2 U5.3 U5.4: "DIGITAL POTENTIOMETER"
U6.1 U6.2: "USB to BASIC UART IC"
Y1: library part "OSC - CB3LV", "Oscillator"

## Free pads (board coordinates)
  round 303 hole 137.8: 0(250,250) 1(250,3670) 2(5750,3670) 3(5750,250)
  round 60 hole 35: 4(300,2200) 4(300,2300) 4(300,2400) 4(300,2500) 4(300,2600) 4(300,2700) 4(400,2200) 4(400,2300) 4(400,2400) 4(400,2500) 4(400,2600) 4(400,2700) 4(500,2200) 4(500,2300) 4(500,2400) 4(500,2500) 4(500,2600) 4(500,2700) 4(600,2200) 4(600,2300) 4(600,2400) 4(600,2500) 4(600,2600) 4(600,2700) 4(700,2200) 4(700,2300) 4(700,2400) 4(700,2500) 4(700,2600) 4(700,2700) 4(800,2200) 4(800,2300) 4(800,2400) 4(800,2500) 4(800,2600) 4(800,2700) 4(900,2200) 4(900,2300) 4(900,2400) 4(900,2500) 4(900,2600) 4(900,2700) 4(1000,2200) 4(1000,2300) 4(1000,2400) 4(1000,2500) 4(1000,2600) 4(1000,2700) 4(1100,2200) 4(1100,2300) 4(1100,2400) 4(1100,2500) 4(1100,2600) 4(1100,2700) 4(1200,2200) 4(1200,2300) 4(1200,2400) 4(1200,2500) 4(1200,2600) 4(1200,2700) 4(1300,2200) 4(1300,2300) 4(1300,2400) 4(1300,2500) 4(1300,2600) 4(1300,2700) 4(1400,2200) 4(1400,2300) 4(1400,2400) 4(1400,2500) 4(1400,2600) 4(1400,2700) 4(1500,2000) 4(1500,2100) 4(1500,2200) 4(1500,2300) 4(1500,2400) 4(1500,2500) 4(1500,2600) 4(1500,2700) 4(1600,2000) 4(1600,2100) 4(1600,2200) 4(1600,2300) 4(1600,2400) 4(1600,2500) 4(1600,2600) 4(1600,2700) 4(1700,2000) 4(1700,2100) 4(1700,2200) 4(1700,2300) 4(1700,2400) 4(1700,2500) 4(1700,2600) 4(1700,2700) 4(1800,1800) 4(1800,1900) 4(1800,2000) 4(1800,2100) 4(1800,2200) 4(1900,1000) 4(1900,1100) 4(1900,1200) 4(1900,1300) 4(1900,1400) 4(1900,1500) 4(1900,1600) 4(1900,1700) 4(1900,1800) 4(1900,1900) 4(1900,2000) 4(2000,1000) 4(2000,1100) 4(2000,1200) 4(2000,1300) 4(2000,1400) 4(2000,1500) 4(2000,1600) 4(2000,1700) 4(2000,1800) 4(2000,1900) 4(2000,2000) 4(2000,3000) 4(2000,3100) 4(2000,3200) 4(2000,3300) 4(2100,1000) 4(2100,1100) 4(2100,1200) 4(2100,1300) 4(2100,1400) 4(2100,1500) 4(2100,1600) 4(2100,1700) 4(2100,1800) 4(2100,1900) 4(2100,2000) 4(2100,3000) 4(2100,3100) 4(2100,3200) 4(2100,3300) 4(2200,1600) 4(2200,1700) 4(2200,1800) 4(2200,1900) 4(2200,2000) 4(2200,3000) 4(2200,3100) 4(2200,3200) 4(2200,3300) 4(2300,1800) 4(2300,1900) 4(2300,2000) 4(2300,3000) 4(2300,3100) 4(2300,3200) 4(2300,3300) 4(2550,500) 4(2550,600) 4(2650,500) 4(2650,600) 4(2750,500) 4(2750,600) 4(2850,500) 4(2850,600) 4(2850,700) 4(3050,500) 4(3050,600) 4(3050,700) 4(3150,500) 4(3150,600) 4(3150,700) 4(3250,500) 4(3250,600) 4(3250,700) 4(3350,500) 4(3350,600) 4(3350,700) 4(3450,500) 4(3450,600) 4(3450,700) 4(3450,800) 4(3450,2950) 4(3450,3050) 4(3550,500) 4(3550,600) 4(3550,700) 4(3550,800) 4(3550,900) 4(3550,2950) 4(3550,3050) 4(3550,3150) 4(3650,500) 4(3650,600) 4(3650,700) 4(3650,800) 4(3650,900) 4(3650,1000) 4(3650,1550) 4(3650,1650) 4(3650,1750) 4(3650,2950) 4(3650,3050) 4(3650,3150) 4(3750,500) 4(3750,600) 4(3750,700) 4(3750,800) 4(3750,900) 4(3750,1000) 4(3750,1550) 4(3750,1650) 4(3750,1750) 4(3850,500) 4(3850,600) 4(3850,700) 4(3850,1550) 4(3850,1650) 4(3850,1750) 4(3950,1550) 4(3950,1650) 4(3950,1750) 4(4050,1550) 4(4050,1650) 4(4050,1750) 4(4050,1850) 4(4150,1550) 4(4150,1650) 4(4150,1750) 4(4150,1850) 4(4250,1550) 4(4250,1650) 4(4250,1750) 4(4250,1850) 4(4350,1550) 4(4350,1650) 4(4350,1750) 4(4350,1850) 4(4350,2950) 4(4350,3050) 4(4350,3150) 4(4450,1550) 4(4450,1650) 4(4450,1750) 4(4450,1850) 4(4450,2950) 4(4450,3050) 4(4450,3150) 4(4550,1550) 4(4550,1650) 4(4550,1750) 4(4550,1850) 4(4650,1550) 4(4650,1650) 4(4650,1750) 4(4650,1850) 4(4750,1550) 4(4750,1650) 4(4750,1750) 4(4750,1850) 4(4850,1550) 4(4850,1650) 4(4850,1750) 4(4850,1850) 4(4950,1550) 4(4950,1650) 4(4950,1750) 4(4950,1850) 4(5050,1550) 4(5050,1650) 4(5050,1750) 4(5050,1850) 4(5050,2950) 4(5050,3050) 4(5050,3150) 4(5150,1550) 4(5150,1650) 4(5150,1750) 4(5150,1850) 4(5150,2950) 4(5150,3050) 4(5150,3150) 4(5250,1550) 4(5250,1650) 4(5250,1750) 4(5250,1850) 4(5250,2950) 4(5250,3050) 4(5250,3150) 4(5350,1550) 4(5350,1650) 4(5350,1750) 4(5350,1850) 4(5350,2950) 4(5350,3050) 4(5350,3150) 4(5450,1550) 4(5450,1650) 4(5450,1750) 4(5450,1850) 4(5450,2950) 4(5450,3050) 4(5450,3150) 4(5550,1550) 4(5550,1650) 4(5550,1750) 4(5550,1850) 4(5700,3150) 4(5700,3250) 4(5700,3350) 4(5700,3450) 4(5800,3150) 4(5800,3250) 4(5800,3350) 4(5800,3450)

## Via types
v1: diameter 28, hole 14, Top Layer to Bottom Layer, 324 vias